# KiCad board ControlsLeader_PCB.kicad_pcb (continued)
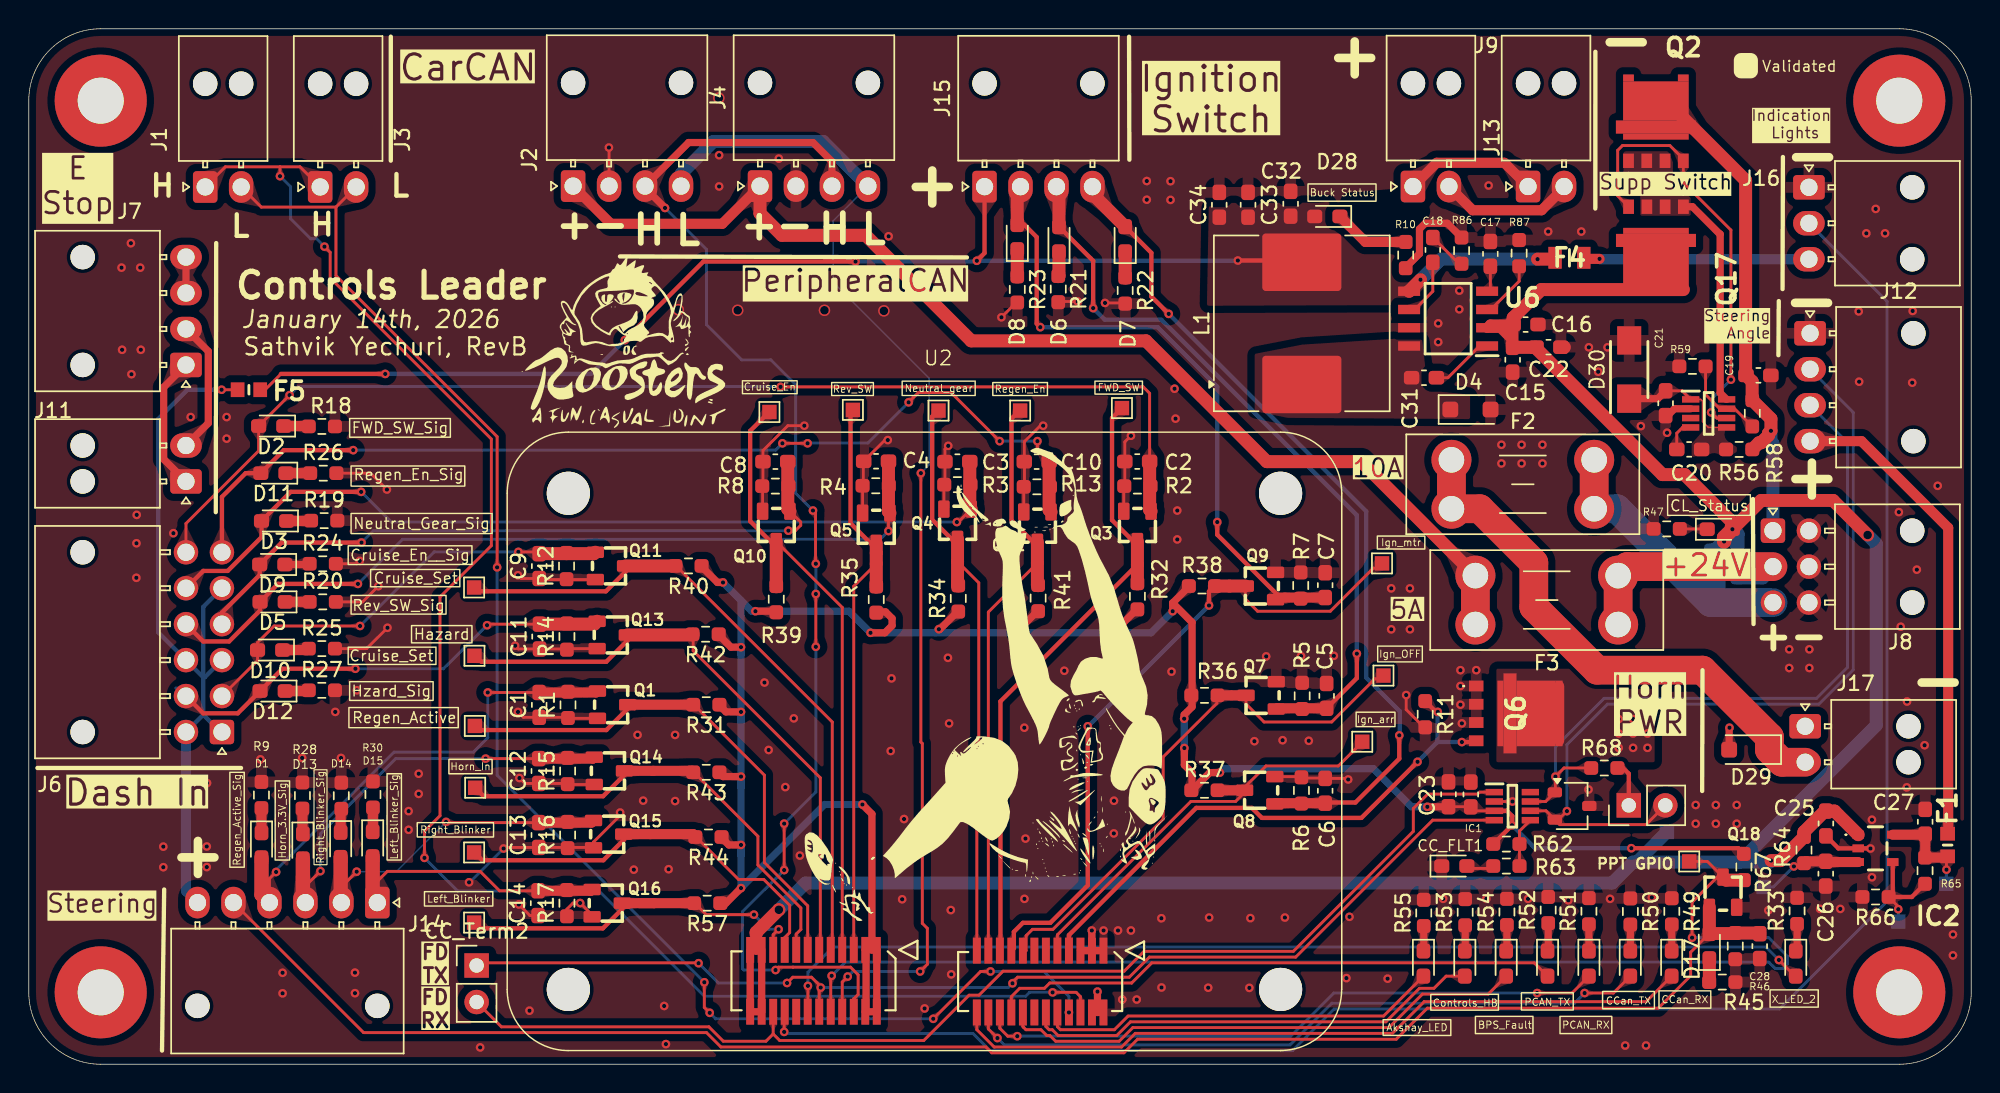
[diagram p0: board, top side]
## Library data of the parts (continued)
J3 = -: Datasheet: https://www.digikey.com/en/products/detail/molex/1053091102/7693146; Description: Car Can In; P/N: 1053131102
J4 = -: Datasheet: https://www.mouser.com/ProductDetail/Molex/105309-1204?qs=PqFvFmEiOr6mDAWV2BJKbg%3D%3D&srsltid=AfmBOopk7YsqdMLo2_DAHKaHKt3Hg126ooPXYWv5Q2Pfx6rW7DaYZCT2; Description: PH Can In; P/N: 1053131104
J6 = -: Description: Dash Conn; P/N: 1053141112; ki_fp_filters: Connector*:*2Rows*Pins__* *FCC*2Rows*Pins__*
J7 = -: Description: EStop_4pin; P/N: 1053131104; ki_fp_filters: Connector*:*_1x??_*
J8 = -: Description: PWR; P/N: 1053141106; ki_fp_filters: Connector*:*2Rows*Pins__* *FCC*2Rows*Pins__*
J9 = -: Description: Supp IN; P/N: 1053131102; ki_fp_filters: Connector*:*_1x??_*
J11 = -: Description: EStop_2pin; P/N: 1053131102; ki_fp_filters: Connector*:*_1x??_*
J12 J15 = -: Description: Ign Conn; P/N: 1053131104; ki_fp_filters: Connector*:*_1x??_*
J13 = -: Description: Supp OUT; P/N: 1053131102; ki_fp_filters: Connector*:*_1x??_*
J14 = -: Description: Generic connector, single row, 01x06, script generated (kicad-library-utils/schlib/autogen/connector/); ki_fp_filters: Connector*:*_1x??_*
J16 = -: Description: Generic connector, single row, 01x03, script generated (kicad-library-utils/schlib/autogen/connector/); ki_fp_filters: Connector*:*_1x??_*
J17 = -: Description: Horn Conn; P/N: 1053131102; ki_fp_filters: Connector*:*_1x??_*
L1 = -: Datasheet: https://www.mouser.com/datasheet/2/597/mss1246-270708.pdf; Description: Buck_Inductor; P/N: MSS1246-104MLC; LCSC: C76836; ki_fp_filters: Choke_* *Coil* Inductor_* L_*
Q1 Q3-Q5 Q7-Q16 Q18 = -: Datasheet: https://ngspice.sourceforge.io/docs/ngspice-html-manual/manual.xhtml#cha_MOSFETs; Description: NMOS!; Sim.Type: VDMOS; Sim.Pins: 1=D 2=G 3=S; P/N: IRLML2030TRPBF; LCSC: C82054
Q2 Q6 Q17 = -: Datasheet: https://www.onsemi.com/pub/Collateral/NVMFWS1D7N04XM-D.PDF; Description: Small Footprint (5x6 mm); Low RDS(on); Low QG and Capacitance; Wettable Flank Option; AECQ101 Qualified and PPAP Capable; RoHS Compliant; Height: 1.1; Manufacturer_Name: onsemi; LCSC: C133142
R1-R8 R11-R17 R45 = -: Description: NOMS 10k; P/N: CRCW060310K0FKTAHP; LCSC: C25804; ki_fp_filters: R_*
R9 R18-R30 R46 = -: Description: NMOS 150Ohms; P/N: ERJ-P03F1500V; LCSC: C22808; ki_fp_filters: R_*
R10 R47 = -: Description: Controls R47; P/N: CRCW12101K10FKEAHP; LCSC: C21190; ki_fp_filters: R_*
R31 R32 R34-R44 R57 R67 = -: Description: NMOS 100k; P/N: CRCW0603100KFKTAHP; LCSC: C25803; ki_fp_filters: R_*
R33 R49-R55 = -: Description: prgm led R45; P/N: FC0402E65R0BGT0; LCSC: C22787; ki_fp_filters: R_*
R56 = -: Description: Resistor, US symbol; Manufacturer_Part_Number: CRCW060310K0FKEI; LCSC: C25804; ki_fp_filters: R_*
R58 = -: Description: Resistor, US symbol; Manufacturer_Part_Number: CRCW060310K0FKEI; LCSC: C25811; ki_fp_filters: R_*
R59 = -: Description: Resistor, US symbol; Manufacturer_Part_Number: CRCW060310K0FKEI; LCSC: C49653600; ki_fp_filters: R_*
R60 R61 = -: Description: Controls R47; P/N: CRCW12101K10FKEAHP; ki_fp_filters: R_*
R62 = -: Description: Resistor; P/N: CRCW08054K70FKEA; Mouser Part Number: CRCW060310K0FKEI; LCSC: C25804; ki_fp_filters: R_*
R63 = -: Description: Resistor; Mouser Part Number: CRCW06032K10FKEA; P/N: SDR10EZPF2200; LCSC: C4190; ki_fp_filters: R_*
R64 = -: Description: Pedals 1k ohms; P/N: CRCW06031K00FKEI; LCSC: C25804; ki_fp_filters: R_*
R65 = -: Description: Pedals 5v LDO 30kohms; P/N: 0603WAJ0303T5E; LCSC: C137806; ki_fp_filters: R_*
R66 = -: Description: Pedals 10K Ohms; P/N: CRCW060310K0FKEI; LCSC: C25804; ki_fp_filters: R_*
R68 = -: Description: Resistor; Mouser Part Number: CRCW0603120RFKEC; P/N: CRCW080559R0FKEA; LCSC: C22787; ki_fp_filters: R_*
R86 = -: Description: Buck_Resistor_R86; P/N: CRCW060316K0FKTA; LCSC: C137788; ki_fp_filters: R_*
R87 = -: ki_fp_filters: R_*
RPP1 = -: Datasheet: https://www.ti.com/lit/ds/symlink/lm74502h.pdf?HQS=dis-mous-null-mousermode-dsf-pf-null-wwe&ts=1659509238199&ref_url=https%253A%252F%252Fwww.mouser.vn%252F; Description: Hot Swap Voltage Controllers 3.2-V to 65-V industrial RPP controller with load disconnect, OVP, and high gate drive; Height: 1.1; Mouser Part Number: 595-LM74502HDDFR; Mouser Price/Stock: https://www.mouser.co.uk/ProductDetail/Texas-Instruments/LM74502HDDFR?qs=t7xnP681wgWDbfat8Yg%252B%2Fg%3D%3D; Manufacturer_Name: Texas Instruments; LCSC: C5219202
TP1-TP15 = -: ki_fp_filters: Pin* Test*
U1 = -: Datasheet: https://www.mouser.com/ProductDetail/652-CDSOT23-T24CAN; Description: CAN Bus Protector; LCSC: C2959841
U2 = -: Datasheet: https://github.com/lhr-solar/LeaderSOMPCB; Height: 3.55; Mouser Part Number: 538-52465-2470; Mouser Price/Stock: https://www.mouser.co.uk/ProductDetail/Molex/52465-2470?qs=sEN%2FkO1EG6Yhu4DkZwbE7Q%3D%3D; Manufacturer_Name: Molex
U6 = -: Datasheet: https://www.ti.com/lit/ds/symlink/tps5405.pdf?HQS=dis-dk-null-digikeymode-dsf-pf-null-wwe&ts=1744490234630&ref_url=https%253A%252F%252Fwww.ti.com%252Fgeneral%252Fdocs%252Fsuppproductinfo.tsp%253FdistId%253D10%2526gotoUrl%253Dhttps%253A%252F%252Fwww.ti.com%252Flit%252Fgpn%252Ftps5405; Description: Buck; LCSC: C488409; ki_fp_filters: D0008A-IPC_A D0008A-IPC_B D0008A-IPC_C D0008A-MFG

## Footprints (pads in the part's own frame, mm; a bottom-side part is the same pattern mirrored in y, then rotated)
AP2205W57
  rect 0.55x0.8 smd: 1(0.95,1.2) 2(0,1.2) 3(-0.95,1.2) 4(-0.95,-1.2) 5(0.95,-1.2)
C_0603_1608Metric_Pad1.08x0.95mm_HandSolder
  rrect 1.075x0.95 smd: 1(-0.863,0) 2(0.863,0)
CDSOT23-T24CAN
  rrect 1x0.7 smd: 1(-1.2,0.95) 2(-1.2,-0.95) 3(1.2,0)
D_SOD-123F
  rrect 1.1x1.1 smd: 1(-1.4,0) 2(1.4,0)
FUSC1608X75N
  rect 0.95x1.02 smd: 1(-0.785,0) 2(0.785,0)
FUSC2114X180N
  rect 0.93x1.52 smd: 1(-1,0) 2(1,0)
Fuseholder_Blade_Mini_Keystone_3568
  round 2.78 hole 1.78: 1(0,0) 1(0,-3.4) 2(9.92,0) 2(9.92,-3.4)
L_Coilcraft_MSS1246-XXX
  rrect 4x5.5 smd: 1(-4.25,0) 2(4.25,0)
LeaderSOM
  round 3 hole 3 unplated: (-24.59,-5.45) (-24.59,-39.95) (24.91,-5.45) (24.91,-39.95)
  rect 0.55x1.8 smd: 1(3.474,-8.2) 2(3.474,-3.9) 3(4.274,-8.2) 4(4.274,-3.9) 5(5.074,-8.2) 6(5.074,-3.9) 7(5.874,-8.2) 8(5.874,-3.9) 9(6.674,-8.2) 10(6.674,-3.9) 11(7.474,-8.2) 12(7.474,-3.9) 13(8.274,-8.2) 14(8.274,-3.9) 15(9.074,-8.2) 16(9.074,-3.9) 17(9.874,-8.2) 18(9.874,-3.9) 19(10.674,-8.2) 20(10.674,-3.9) 21(11.474,-8.2) 22(11.474,-3.9) 23(12.274,-8.2) 24(12.274,-3.9) 25(-12.28,-8.15) 26(-12.28,-3.85) 27(-11.48,-8.15) 28(-11.48,-3.85) 29(-10.68,-8.15) 30(-10.68,-3.85) 31(-9.88,-8.15) 32(-9.88,-3.85) 33(-9.08,-8.15) 34(-9.08,-3.85) 35(-8.28,-8.15) 36(-8.28,-3.85) 37(-7.48,-8.15) 38(-7.48,-3.85) 39(-6.68,-8.15) 40(-6.68,-3.85) 41(-5.88,-8.15) 42(-5.88,-3.85) 43(-5.08,-8.15) 44(-5.08,-3.85) 45(-4.28,-8.15) 46(-4.28,-3.85) 47(-3.48,-8.15) 48(-3.48,-3.85)
LED_0603_1608Metric_Pad1.05x0.95mm_HandSolder
  rrect 1.05x0.95 smd: 1(-0.875,0) 2(0.875,0)
Molex_Nano-Fit_105313-xx02_1x02_P2.50mm_Horizontal
  round 1.7 hole 1.7 unplated: (7.18,0) (7.18,-2.5)
  rrect 2.2x1.7 hole 1.2: 1(0,0)
  oval 2.2x1.7 hole 1.2: 2(0,-2.5)
Molex_Nano-Fit_105313-xx03_1x03_P2.50mm_Horizontal
  round 1.7 hole 1.7 unplated: (7.18,0) (7.18,-5)
  rrect 2.2x1.7 hole 1.2: 1(0,0)
  oval 2.2x1.7 hole 1.2: 2(0,-2.5) 3(0,-5)
Molex_Nano-Fit_105313-xx04_1x04_P2.50mm_Horizontal
  round 1.7 hole 1.7 unplated: (7.18,0) (7.18,-7.5)
  rrect 2.2x1.7 hole 1.2: 1(0,0)
  oval 2.2x1.7 hole 1.2: 2(0,-2.5) 3(0,-5) 4(0,-7.5)
Molex_Nano-Fit_105313-xx06_1x06_P2.50mm_Horizontal
  round 1.7 hole 1.7 unplated: (7.18,0) (7.18,-12.5)
  rrect 2.2x1.7 hole 1.2: 1(0,0)
  oval 2.2x1.7 hole 1.2: 2(0,-2.5) 3(0,-5) 4(0,-7.5) 5(0,-10) 6(0,-12.5)
Molex_Nano-Fit_105314-xx06_2x03_P2.50mm_Horizontal
  round 1.7 hole 1.7 unplated: (9.68,0) (9.68,-5)
  rrect 1.7x1.7 hole 1.2: 1(0,0)
  round 1.7 hole 1.2: 2(0,-2.5) 3(0,-5) 4(2.5,0) 5(2.5,-2.5) 6(2.5,-5)
Molex_Nano-Fit_105314-xx12_2x06_P2.50mm_Horizontal
  round 1.7 hole 1.7 unplated: (9.68,0) (9.68,-12.5)
  rrect 1.7x1.7 hole 1.2: 1(0,0)
  round 1.7 hole 1.2: 2(0,-2.5) 3(0,-5) 4(0,-7.5) 5(0,-10) 6(0,-12.5) 7(2.5,0) 8(2.5,-2.5) 9(2.5,-5) 10(2.5,-7.5) 11(2.5,-10) 12(2.5,-12.5)
MountingHole_3.2mm_M3_Pad_TopBottom
  round 3.6 hole 3.2: 1(0,0)
  round 6.4 smd: 1(0,0)
  round 6.4 smd far side: 1(0,0)
NVMFWS3D0P04M8LT1G
  rect 0.75x1 smd: 1(-1.905,-2.75) 2(-0.635,-2.75) 3(0.635,-2.75) 4(1.905,-2.75)
  rect 0.75x0.48 smd: 5(1.905,3.01) 6(-1.905,3.01)
  rect 4.56x2.72 smd: 7(0,1.41)
  rect 5.56x0.91 smd: 8(0,-0.405)
  rect 4.56x0.42 smd: 9(0,-1.07)
PinHeader_1x02_P2.54mm_Vertical
  rect 1.7x1.7 hole 1: 1(0,0)
  round 1.7 hole 1: 2(0,-2.54)
R_0603_1608Metric_Pad0.98x0.95mm_HandSolder
  rrect 0.975x0.95 smd: 1(-0.912,0) 2(0.912,0)
SODFL5026X125N
  rect 1.97x1.67 smd: 1(-2.025,0) 2(2.025,0)
SOT23
  rrect 0.8x1.2 smd: 1(0.95,2.1) 2(0,0) 3(1.9,0)
SOT65P280X110-8N
  rect 1.2x0.45 smd: 1(-1.25,0.975) 2(-1.25,0.325) 3(-1.25,-0.325) 4(-1.25,-0.975) 5(1.25,-0.975) 6(1.25,-0.325) 7(1.25,0.325) 8(1.25,0.975)
TCAN337DCNR
  rect 1.2x0.45 smd: 1(-1.25,0.975) 2(-1.25,0.325) 3(-1.25,-0.325) 4(-1.25,-0.975) 5(1.25,-0.975) 6(1.25,-0.325) 7(1.25,0.325) 8(1.25,0.975)
TestPoint_Pad_1.0x1.0mm
  rect 1x1 smd: 1(0,0)
TPS5405DR
  rect 1.528x0.65 smd: 1(-2.711,1.905) 2(-2.711,0.635) 3(-2.711,-0.635) 4(-2.711,-1.905) 5(2.711,-1.905) 6(2.711,-0.635) 7(2.711,0.635) 8(2.711,1.905)

## Nets
+16V: F1.2 J12.4
+24V: C15.1 C16.1 C22.2 C25.2 D16.2 IC2.1 Q17.5 Q17.6 Q17.7 Q17.8 Q17.9 R60.2 R61.2 R64.1 U2.21 U2.22 U2.23 U2.24 U6.2 Vin1.1
/3.3V_LSOM: C23.1 C24.1 IC1.3 R31.1 R32.1 R34.1 R35.1 R36.1 R37.1 R38.1 R39.1 R40.1 R41.1 R42.1 R43.1 R44.1 R57.1 R62.1 R67.1 U2.1 U2.2 U2.3 U2.4
/5V_Buck: C32.1 C33.1 C34.1 D28.2 F4.1 F5.1 J15.1 L1.2 U6.5
/5V_Buck_IndicationLights: F4.2 J16.3
/5V_Buck_SteeringDash: F5.2 J6.1 J6.3 J6.5 J6.7 J6.9 J14.6
/+24v_Horn: D29.1 F2.1 J17.2
/+24v_Lights: F3.2 J2.1 J4.1
/Steering Angle Sensor Components/24v to 16v ldo/16v_prefuse: 16v_Out1.1 C27.1 F1.1 IC2.5 R65.1
GND: C1.1 C2.1 C3.1 C4.1 C5.1 C6.1 C7.1 C8.1 C9.1 C10.1 C11.1 C12.1 C13.1 C14.1 C15.2 C16.2 C17.2 C19.1 C21.1 C22.1 C23.2 C24.2 C25.1 C26.1 C27.2 C28.1 C32.2 C33.2 C34.2 CC_FLT1.1 D4.2 D30.2 IC1.2 IC2.2 J2.2 J4.2 J8.4 J8.5 J8.6 J12.1 J16.1 Q1.3 Q3.3 Q4.3 Q5.3 Q6.1 Q6.2 Q6.3 Q7.3 Q8.3 Q9.3 Q10.3 Q11.3 Q12.3 Q13.3 Q14.3 Q15.3 Q16.3 Q18.3 R1.1 R2.1 R3.1 R4.1 R5.1 R6.1 R7.1 R8.1 R9.2 R10.2 R11.2 R12.1 R13.1 R14.1 R15.1 R16.1 R17.1 R18.2 R19.2 R20.2 R21.2 R22.2 R23.2 R24.2 R25.2 R26.2 R27.2 R28.2 R29.2 R30.2 R33.2 R45.1 R46.2 R47.2 R49.1 R50.1 R51.2 R52.2 R53.2 R54.2 R55.2 R59.2 R66.2 R86.2 R87.2 RPP1.2 U1.3 U2.25 U2.26 U2.27 U2.28 U2.29 U6.7
/24v_5v_Buck/LX: C31.2 D4.1 L1.1 U6.8
/24v_5v_Buck/ROSC: R87.1 U6.3
/Akshay_LED: D25.2 U2.34
/BPS_Fault_LED: D24.2 U2.40
/CarCan_H: J1.1 J3.1 U2.30
/CarCan_L: J1.2 J3.2 U2.32
/CarCan_RX_LED: D19.2 U2.48
/CarCan_TX_LED: D20.2 U2.46
/Controls_HB_LED: D23.2 U2.36
/Cruise_Enable_GPIO_IN: Q10.1 R39.2 TP8.1 U2.7
/Cruise_Enable_Signal: C8.2 D9.2 J6.4 Q10.2 R8.2
/Cruise_Set_GPIO_IN: Q11.1 R40.2 TP9.1 U2.9
/Cruise_Set_Signal: C9.2 D10.2 J6.2 Q11.2 R12.2
/Dash/Contactor_IN1: J7.2 J11.2
/Dash/Contactor_OUT1: J7.1 J11.1
/Dash/Contactor_OUT2: J7.3 J7.4
/Dash/LV-: J9.2 J13.2
/Dash/LV_EN: J9.1 J13.1
/Extra_LED2: D18.2 U2.14
/FDCAN2_RX: CC_Term2.1 IC1.4 U2.12
/FDCAN2_TX: CC_Term2.2 IC1.1 U2.20
/Fwd_SW_GPIO: Q3.1 R32.2 TP2.1 U2.43
/Fwd_SW_Signal: C2.2 D2.2 J6.12 Q3.2 R2.2
/Hazard_GPIO_IN: Q13.1 R42.2 TP11.1 U2.11
/Hazard_Signal: C11.2 D12.2 J6.8 Q13.2 R14.2
/Horn_5V_Signal: C12.2 D13.2 J14.3 Q14.2 R15.2
/Horn_24V_Signal_Out: D29.2 J17.1 Q6.5 Q6.6 Q6.7 Q6.8 Q6.9
/Horn_GPIO_IN: Q14.1 R43.2 TP12.1 U2.15
/Horn_GPIO_OUT: Q6.4 R11.1 U2.31
/Ign_arr_GPIO: Q8.1 R37.2 TP6.1 U2.33
/Ign_arr_Signal: C6.2 D7.2 J15.4 Q8.2 R6.2
/Ign_mtr_GPIO: Q9.1 R38.2 TP7.1 U2.41
/Ign_mtr_Signal: C7.2 D8.2 J15.2 Q9.2 R7.2
/Ign_OFF_GPIO: Q7.1 R36.2 TP5.1 U2.39
/Ign_off_Signal: C5.2 D6.2 J15.3 Q7.2 R5.2
/Indicator_PWM: J16.2 U2.18
/Left_Blinker_ON: Q16.1 R57.2 TP15.1 U2.19
/Left_Blinker_Signal: C14.2 D15.2 J14.1 Q16.2 R17.2
/Neutral_Gear_GPIO: Q4.1 R34.2 TP3.1 U2.47
/Neutral_Gear_Signal: C3.2 D3.2 J6.11 Q4.2 R3.2
/PerCan_H: J2.3 J4.3 U2.6
/PerCan_L: J2.4 J4.4 U2.8
/PH_Can_RX_LED: D21.2 U2.44
/PH_Can_TX_LED: D22.2 U2.42
/PTT_GPIO_IN: Q18.1 R67.2 TP14.1 U2.10
/PTT_Signal: C28.2 D17.2 J14.5 Q18.2 R45.2
/Regen_Active_GPIO_IN: Q1.1 R31.2 TP1.1 U2.13
/Regen_Active_Signal: C1.2 D1.2 J14.4 Q1.2 R1.2
/Regen_Enable_GPIO_IN: Q12.1 R41.2 TP10.1 U2.45
/Regen_Enable_Signal: C10.2 D11.2 J6.6 Q12.2 R13.2
/Rev_SW_GPIO: Q5.1 R35.2 TP4.1 U2.5
/Rev_SW_Signal: C4.2 D5.2 J6.10 Q5.2 R4.2
/Right_Blinker_ON: Q15.1 R44.2 TP13.1 U2.17
/Right_Blinker_Signal: C13.2 D14.2 J14.2 Q15.2 R16.2
/RPP/LV+: C19.2 J8.1 Q2.5 Q2.6 Q2.7 Q2.8 Q2.9 R56.1 R58.1
/RPP/RPP1_SRC: Q2.1 Q2.2 Q2.3 Q17.1 Q17.2 Q17.3 RPP1.8
/RPP/RPP_EN: C20.2 C21.2 D30.1 R56.2 RPP1.1 RPP1.5
/Steering Angle Sensor Components/Can Transciever/CARCAN_Fault: IC1.5 R62.2 R63.1
/Steering Angle Sensor Components/SteeringCAN_H: IC1.7 J12.3 R68.2 U1.1
/Steering Angle Sensor Components/SteeringCAN_L: CC_Term1.2 IC1.6 J12.2 U1.2
Net-(C18-Pad2): C18.2 R86.1
Net-(CC_FLT1-A): CC_FLT1.2 R63.2
Net-(CC_Term1-A): CC_Term1.1 R68.1
Net-(D1-K): D1.1 R9.1
Net-(D2-K): D2.1 R18.1
Net-(D3-K): D3.1 R19.1
Net-(D5-K): D5.1 R20.1
Net-(D6-K): D6.1 R21.1
Net-(D7-K): D7.1 R22.1
Net-(D8-K): D8.1 R23.1
Net-(D9-K): D9.1 R24.1
Net-(D10-K): D10.1 R25.1
Net-(D11-K): D11.1 R26.1
Net-(D12-K): D12.1 R27.1
Net-(D13-K): D13.1 R28.1
Net-(D14-K): D14.1 R29.1
Net-(D15-K): D15.1 R30.1
Net-(D16-K): D16.1 R47.1
Net-(D17-K): D17.1 R46.1
Net-(D18-K): D18.1 R33.1
Net-(D19-K): D19.1 R49.2
Net-(D20-K): D20.1 R50.2
Net-(D21-K): D21.1 R51.1
Net-(D22-K): D22.1 R52.1
Net-(D23-K): D23.1 R53.1
Net-(D24-K): D24.1 R54.1
Net-(D25-K): D25.1 R55.1
Net-(D28-K): D28.1 R10.1
Net-(IC2-ADJ): Adj16V1.1 IC2.4 R65.2 R66.1
Net-(IC2-EN): C26.2 En16V1.1 IC2.3 R64.2
Net-(J8-Pin_2): F3.1 J8.2 R61.1
Net-(J8-Pin_3): F2.2 J8.3 R60.1
Net-(RPP1-GATE): Q2.4 Q17.4 RPP1.6
Net-(RPP1-OV): R58.2 R59.1 RPP1.7
Net-(RPP1-VCAP): C20.1 RPP1.4
Net-(U6-BOOT): C31.1 U6.1
Net-(U6-COMP): C18.1 U6.6
Net-(U6-SS): C17.1 U6.4

Pads without a net: H1 1; H2 1; H3 1; H4 1; IC1 8; RPP1 3; U2 16 35 37 38

## Via types
v1: diameter 0.6, hole 0.3, Top to Bottom, 310 vias
v2: diameter 0.8, hole 0.6, Top to Bottom, 7 vias

## Routing (per net, layer and track width the routed paths; a pad name or vN(x,y) marks a point on that pad's centre or on a via; arc(x,y) is an arc through that point)
+16V: length 33.4
  Top w0.7: F1.2 133.4,16.06 133.4,37.3 127.38,43.33 J12.4
+24V: length 177.7
  Top w0.2: 103.26,49.93 102.79,49.93
  Top w0.5: U2.24 U2.22 U2.21 U2.23 U2.24
  Top w0.7: 103.17,49.89 C16.1 101.58,51.44 U6.2 102.28,51.21 103.13,50.36 ; 50.55,9.04 50.55,7.95
  Top w0.9: C16.1 103.17,51.91 105.12,53.87 Q17.6 ; C22.2 104.75,49.78 113.54,41 115.07,41 118.4,37.67 v1(118.4,37.2) 120.4,39.2 125.4,39.2 v2(127.8,36.8) ; 50.55,9.04 50.55,9.17 52.12,10.74 v2(52.13,10.74) ; v1(121.09,14.16) 121.74,14.16 R64.1 123.38,16.16 124.82,17.6 C25.2 125.5,17.6 IC2.1 ; C15.1 104.74,49.85
  Top w1: v1(118.4,37.2) 117.82,36.62 v1(117.82,36.35)
  Bottom w0.9: 111.49,14.05 110.04,12.6 53.98,12.6 53.8,12.42 53.8,12.41 v2(52.13,10.74) ; 111.49,14.05 111.75,14.05 Vin1.1 ; 111.49,14.05 118.88,14.05 ; 118.88,14.05 120.98,14.05 v1(121.09,14.16) ; 118.88,14.05 128.4,23.57 128.4,36.2 v2(127.8,36.8)
  Bottom w1: v1(118.4,37.2) 118.75,36.85 R61.2 ; R60.2 117.19,35.71 v1(117.82,36.35)
/3.3V_LSOM: length 170.5
  Top w0.2: C24.1 100.21,17.91 C23.1 100.5,17.62 IC1.3 ; R37.1 80.85,19.05
  Top w0.3: v1(111.38,15.02) 118.8,15.02 R67.1 ; R62.1 v1(103.09,16.61) 103.1,16.63 103.1,17.26 102.74,17.62 IC1.3
  Top w0.5: v1(49.5,12.25) 48.45,11.2 48.01,11.2 ; 70.15,31.55 68.75,30.15 v1(68.75,30) ; v1(79.5,31.5) 79.5,32.08 ; 79.5,32.08 80.68,33.25 ; 79.5,32.08 80.85,30.72 80.85,24.85 80.3,24.3 v1(80.3,24.03) ; v1(82.78,20.28) 82.08,20.28 80.85,19.05 80.84,19.06 80.84,20.28 80.31,20.81 v1(80.31,21.99) ; v1(49.5,20) 48.25,20 47.95,20.3 ; v1(49.5,24.5) 48.45,24.5 47.95,25 ; 58.9,31.45 59.55,31.45 60,31 60,30.5 59.5,30 v1(58.5,30) ; v1(48.25,33.5) 47.86,33.5 46.71,34.65 ; 47.9,29.9 48.8,29 v1(49.5,29) ; 98.61,17.85 C24.1 98.66,17.9 v1(97.2,17.9) ; v1(50.5,31.5) 51.93,31.5 51.95,31.47 ; 64.6,31.53 63.32,30.25 v1(63.25,30.25) ; 58.6,7.95 U2.1 U2.2 U2.4 58.19,3.7 58.19,7.9 U2.3 58.6,7.95 ; 58.6,7.95 58.6,17.4 v1(57.94,18.06) ; 48.1,15.8 48.65,15.25 v1(49.5,15.25) ; 77.05,31.67 75.5,30.12 v1(75.5,30)
  Bottom w0.3: v1(111.38,15.02) 104.68,15.02 v1(103.09,16.61)
  Bottom w0.5: v1(79.5,31.5) 78,30 v1(75.5,30) v1(68.75,30) 63,30 ; 63,30 v1(58.5,30) 57,31.5 50.25,31.5 ; 63,30 v1(63.25,30.25) ; 49.5,19.25 49.5,23.75 ; 49.5,19.25 v1(49.5,20) ; 49.5,19.25 49.5,14.5 ; 49.5,23.75 49.5,28.5 ; 49.5,23.75 v1(49.5,24.5) ; v1(97.2,17.9) 96.1,17.9 93.45,20.55 83.05,20.55 v1(82.78,20.28) ; 50.25,31.5 49.5,32.25 ; 50.25,31.5 v1(50.5,31.5) ; v1(80.3,24.03) 80.3,22 v1(80.31,21.99) ; 49.5,14.5 v1(49.5,15.25) ; 49.5,14.5 v1(49.5,12.25) 55.31,18.06 v1(57.94,18.06) ; 49.5,28.5 v1(49.5,29) ; 49.5,28.5 49.5,32.25 ; 49.5,32.25 v1(48.25,33.5)
/5V_Buck: length 93
  Top w0.2: F5.1 16.42,46.9 17.53,48
  Top w0.3: L1.2 88.35,55.89 v1(84.03,55.89) ; J15.1 66.43,56.4 v1(65.89,55.87) ; v1(41.42,50.35) 46.89,55.81 v1(57.46,55.81) ; 17.53,48 v1(24.78,48)
  Top w0.5: 90.32,55.88 90.44,55.76
  Top w0.9: v1(104.86,55.98) 105.98,55.98 F4.1 ; v1(96.72,54.55) 95.93,53.76 U6.5
  Bottom w0.3: 65.91,55.85 v1(65.89,55.87) ; v1(65.89,55.87) 84.01,55.87 v1(84.03,55.89) 84.03,55.88 ; v1(65.89,55.87) 65.84,55.81 v1(57.46,55.81) ; v1(41.42,50.35) 39.08,48 v1(24.78,48) ; 57.5,55.85 v1(57.46,55.81) ; v1(57.46,55.81) 57.51,55.87
  Bottom w0.9: v1(104.86,55.98) 104.85,55.97 98.15,55.97 v1(96.72,54.55)
/5V_Buck_IndicationLights: length 15.7
  Top w0.7: v1(109.17,56) 108.15,56 F4.2
  Bottom w0.7: v1(109.17,56) 109.19,55.97 J16.3
/5V_Buck_SteeringDash: length 52.5
  Top w0.2: F5.2 v1(13.4,46.9)
  Bottom w0.3: 12.13,26.9 12.13,24.3 ; 12.13,26.9 J6.9 ; 12.13,26.9 12.22,26.9 J6.3 ; 12.13,26.9 12.13,31.8 J6.5 ; 12.13,24.3 13.33,23.1 J6.1 ; 12.13,24.3 J6.7 ; J6.9 9,30.03 9,44.87 11.03,46.9 v1(13.4,46.9) ; J6.9 11.02,28.1
  Bottom w0.7: J14.6 10.92,12.04 J6.7
/+24v_Horn: length 37.6
  Top w2: F2.1 F2.1 100.84,38.62 104.6,34.87 104.6,31.8 109,27.4 116.32,27.4 120.97,22.75 D29.1 121.85,21 J17.2
/+24v_Lights: length 80.6
  Top w0.7: J4.1 48.2,58.44 40.45,58.44 J2.1
  Top w0.9: F3.2 92.61,41.9 86.04,41.9 77.65,50.3 65.5,50.3 58.16,57.64 52.34,57.64 50.82,59.16 J4.1
  Top w2: F3.2 F3.2
/Steering Angle Sensor Components/24v to 16v ldo/16v_prefuse: length 7.4
  Top w0.2: F1.1 133.28,14.38 v1(133.28,13.53)
  Top w0.7: IC2.5 131.76,15.96 C27.1 131.8,14.38 R65.1 133.28,14.37 F1.1
  Bottom w0.2: v1(133.28,13.53) 133.27,13.52 16v_Out1.1
GND: length 118.4
  Top w0.2: 71.55,53.04 v1(72.9,53.04) ; v1(40.32,63.74) 40.33,63.73 J2.2 ; Q16.3 39.15,10.38 v1(38.32,11.21) 37.83,11.21 37.4,10.78 37.4,10.34 ; v1(33,15) 33.08,15.08 C13.1 39.22,15.08 Q15.3 39.25,15.45 41.1,17.3 v1(41.1,17.5) ; 21.29,34.8 22.8,34.8 v1(23,35) ; 21.23,28.9 23.48,28.9 v1(24.93,30.35) ; v1(24.29,33.24) 23.2,32.15 21.29,32.15 ; 97.05,23.47 96.91,23.47 95.73,24.66 v1(95.73,25.67) ; Q1.3 37.55,24.05 37.47,24.12 C1.1 34.38,24.12 v1(34,24.5) ; IC1.2 v1(103.12,18.27) ; C14.1 34.83,10.34 v1(34.06,11.11) ; 53.32,60.54 J4.2 53.32,60.3 ; Q3.3 76.1,40.11 76.19,40.2 76.18,40.21 76.18,43.28 v1(76.6,43.7) ; 21.33,41.1 23.75,41.1 v1(24.89,39.96) ; Q4.3 63.6,40.22 63.68,40.3 63.68,42.78 v1(63.9,43) ; 76.2,52.94 v1(74.8,52.94) ; Q12.3 69.15,40.1 69.2,40.15 69.2,41.89 C10.1 69.19,43.29 70.3,44.4 v1(70.5,44.4) ; Q8.3 88.35,20 88.45,19.9 90.07,19.9 C6.1 91.62,19.88 v1(91.7,19.8) ; Q10.3 51,40.17 51.03,40.2 C8.1 51.03,42.67 52.75,44.4 v1(53.9,44.4) ; 68.7,53.01 68.68,53.01 v1(67.6,51.94) ; Q11.3 35.55,33.7 C9.1 34.22,33.78 v1(34,34) ; Q14.3 37.53,19.45 37.45,19.53 C12.1 34.47,19.53 v1(34.1,19.9) ; Q5.3 57.95,40.17 58,40.22 58,41.9 C4.1 59.5,43.4 v1(59.7,43.4) ; v1(33.8,29.1) 34.03,28.88 C11.1 37.4,28.88 37.42,28.9 Q13.3
  Top w0.3: C25.1 125.77,15.01 IC2.2 127.99,15.01 v1(128,15)
  Top w0.5: 74.28,3.6 v1(74.28,5.05) ; 74.28,3.6 U2.28 ; 74.28,3.6 U2.26 ; RPP1.2 114.38,45.58 113.9,45.1 ; U2.27 U2.29 ; U2.27 U2.25 ; U2.27 73.88,7.91 v1(73.88,9.3) ; 95.69,55.4 96.65,56.36 96.65,58.08 97.05,58.47 98.59,58.47 R86.2
  Top w0.9: 106.71,49.84 106.72,49.86
  Bottom w0.2: v1(30.6,12.65) 30.65,12.65 v1(33,15)
  vias: v1(6.45,55.39) v1(6.49,49.68) v1(7.1,57.09) v1(7.14,47.98) v1(7.5,38.2) v1(7.48,36.22) v1(7.47,33.83) v1(7.75,55.39) v1(7.79,49.68) v1(9.35,15.13) v1(9.35,13.7) v1(9.37,19.54) v1(10.05,36.92) v1(11.25,45) v1(12.39,19.55) v1(12.37,15.14) v1(12.37,13.71) v1(13.75,45) v1(13.75,43.5) v1(16.1,21.2) v1(17.64,6.36) v1(17.64,4.93) v1(19,21.3) v1(21.3,24.5) v1(21.7,21.3) v1(22.67,6.37) v1(22.67,4.94) v1(22.8,26) v1(26.4,17.6) v1(26.4,16.3) v1(27.1,20.2) v1(27.1,18.8) v1(31.37,1.17) v1(34.8,3.72) v1(42.05,13.53) v1(42.31,22.9) v1(42.7,18.33) v1(44.16,4.05) v1(44.28,1.4) v1(44.47,13.56) v1(44.92,22.9) v1(44.92,18.3) v1(47.98,63.21) v1(47.98,61.03) v1(51.13,26.54) v1(51.42,21.85) v1(52.13,62.97) v1(52.58,19.27) v1(53.17,24.05) v1(53.59,14.51) v1(59.76,57.57) v1(59.9,21.78) v1(59.96,26.83) v1(60.7,11.47) v1(60.83,17.05) v1(62.26,3.88) v1(63.88,28.26) v1(63.96,23.7) v1(64.08,10.72) v1(64.11,6.25) v1(69.19,23.4) v1(69.2,11.5) v1(69.27,15.69) v1(71.97,27.36) v1(74.7,9.3) v1(75.42,18.32) v1(75.41,16.05) v1(75.7,9.3) v1(76,4.5) v1(76.6,9.3) v1(77,4.5) v1(77.7,61.41) v1(77.7,60.11) v1(78.72,10.15) v1(78.72,5.33) v1(79.35,61.4) v1(79.35,60.1) v1(79.42,27.3) v1(79.63,46.97) v1(79.7,44.89) v1(79.82,38.5) v1(79.82,36.49) v1(82.03,10.2) v1(81.97,5.32) v1(84.83,5.31) v1(84.9,10.16) v1(85.18,22.46) v1(86,28.36) v1(87.14,22.53) v1(87.3,10.2) v1(88.42,28.38) v1(88.96,22.49) v1(90.7,28.4) v1(91.57,5.99) v1(91.79,10.25) v1(94.44,5.95) v1(94.69,33.09) v1(94.69,30.24) v1(95.99,33.09) v1(95.99,30.24) v1(97.96,51.52) v1(97.96,50.22) v1(98.3,11.5) v1(99.42,53.79) v1(99.42,52.49) v1(99.5,27.4) v1(99.5,26.3) v1(99.5,25) v1(99.6,23.7) v1(100.6,27.4) v1(101.3,11.5) v1(101.46,61.1) v1(102.35,43.08) v1(102.35,41.78) v1(103.75,43.08) v1(103.75,41.78) v1(104.2,11.5) v1(105.2,43.08) v1(105.2,41.78) v1(105.6,57.9) v1(107,11.4) v1(107.9,57.9) v1(108.43,49.85) v1(108.4,19.1) v1(109.07,48.15) v1(109.72,49.85) v1(109.9,11.5) v1(110.95,1.3) v1(112.04,44.37) v1(112.4,1.3) v1(112.8,11.6) v1(113.86,43.91) v1(115.85,18.03) v1(115.85,16.72) v1(117.25,18.03) v1(117.25,16.72) v1(118.7,18.03) v1(118.7,16.72) v1(120.9,10.7) v1(122.35,28.85) v1(122.35,27.55) v1(123.75,28.85) v1(123.75,27.55) v1(124.5,10.8) v1(125.9,10.8) v1(127.18,52.35) v1(127.21,47.46) v1(127.71,57.78) v1(128.1,17) v1(128.1,13) v1(128.36,59.47) v1(129.01,57.78) v1(129.97,38.39) v1(130.1,30.42) v1(130.54,25.22) v1(130.52,19.25) v1(130.93,52.38) v1(130.9,47.39) v1(131.22,34.39) v1(131.76,22.18) v1(132.67,40.22) v1(133.73,9.02) v1(133.73,7.57) v2(45.14,52.47) v2(47.96,67.18) v2(49.27,52.42) v2(55.3,52.42) v2(59.43,52.39)
/24v_5v_Buck/ROSC: length 3.8
  Top w0.2: R87.1 103.58,54.45 101.62,52.48
/Akshay_LED: length 28.1
  Top w0.2: D25.2 94.16,3.35 76.4,3.35 75.45,2.4 71.7,2.4 71.49,2.61 U2.34
/BPS_Fault_LED: length 37
  Top w0.2: U2.40 69.09,2.62 69.15,2.56 69.15,2.55 69.3,2.4 70.35,2.4 70.75,2 70.97,2 71.37,1.6 75.78,1.6 76.73,2.55 94.53,2.55 96.86,4.88 101.43,4.88 D24.2
  Top w0.3: 69,3.51 U2.40
/CarCan_H: length 116.6
  Top w0.2: v1(71.16,5) 71.16,5 72.79,5 73.09,4.7 U2.30 72.95,3.74 ; J3.1 18.85,62.4 17.46,62.4 ; 17.46,62.4 v1(17.46,61.75) ; 17.46,62.4 13.66,62.4 J1.1 ; v1(20.55,56.85) 20.95,56.45 20.95,54.67 32.15,43.47 32.15,36.06 28.58,32.49 28.58,17.28 27.5,16.2 v1(27.5,14.35)
  Bottom w0.2: v1(20.55,56.85) 20,57.4 19.59,57.4 18.2,58.79 18.2,61.01 v1(17.46,61.75) ; v1(27.5,14.35) 29.8,12.05 39.63,12.05 46.95,4.73 69.28,4.73 69.55,5 71.15,5 v1(71.16,5)
/CarCan_L: length 104.3
  Top w0.2: J3.2 21.35,59.6 ; 21.35,59.6 16.16,59.6 J1.2 ; 21.35,59.6 21.35,54.84 32.55,43.64 v1(32.55,34.55) ; v1(47.32,3.58) 46.95,3.95 v1(46.95,5.7) ; v1(62.86,3.16) 66.15,6.45 v1(66.84,6.45)
  Bottom w0.2: v1(72.29,3.6) 72.29,4.71 70.55,6.45 v1(66.84,6.45) ; 47,5.65 v1(46.95,5.7) 32.55,20.1 v1(32.55,34.55) ; v1(47.32,3.58) 47.74,3.16 v1(62.86,3.16)
/CarCan_RX_LED: length 52
  Top w0.2: D19.2 112.4,4.35 96.98,4.35 96.98,4.35 94.78,2.15 76.9,2.15 75.95,1.2 67.1,1.2 65.89,2.4 U2.48
/CarCan_TX_LED: length 48.2
  Top w0.2: v1(67.32,1.82) 66.69,2.45 U2.46 ; v1(108.13,4.95) 110.13,4.95 D20.2
  Bottom w0.2: v1(108.13,4.95) 107.42,4.24 90.56,4.24 87.67,1.35 67.79,1.35 v1(67.32,1.82)
/Controls_HB_LED: length 32.1
  Top w0.2: U2.36 70.69,2.62 70.91,2.4 71.13,2.4 71.53,2 75.62,2 76.57,2.95 94.32,2.95 96.65,5.28 97.66,5.28 98.5,6.12 D23.2
/Cruise_Enable_GPIO_IN: length 44
  Top w0.2: Q10.1 56.54,31.76 U2.7
  Top w0.3: Q10.1 51.55,36.35 50.14,37.76 50.14,44.04 51.45,45.35 TP8.1
  Top w0.9: Q10.1 51.95,33.2
/Cruise_Enable_Signal: length 48.8
  Top w0.2: Q10.2 53.65,37.7 53.65,37.47 53.28,37.1 v1(52.79,37.1)
  Top w0.3: v1(23.12,36.28) 17.58,36.28 D9.2 16.05,34.03 13.42,31.4 J6.4
  Top w0.9: C8.2 52.75,38.6 Q10.2
  Bottom w0.2: v1(23.12,36.28) 23.95,37.1 v1(52.79,37.1)
/Cruise_Set_GPIO_IN: length 46.4
  Top w0.2: 44.99,34.65 55.84,23.79 55.84,8.06 U2.9
  Top w0.3: Q11.1 41.47,34.25 40.11,32.89 31.31,32.89 31.05,33.15 TP9.1
  Top w0.9: Q11.1 44.99,34.65
/Cruise_Set_Signal: length 31.8
  Top w0.2: v1(23.03,30.47) 17.06,30.47 15.9,29.32 D10.2 15.9,28.08 J6.2 ; C9.2 35.35,35.62 v1(34.03,35.62) ; 15.66,28.6 15.95,28.9 15.72,28.66
  Top w0.3: 13.43,26.15 13.43,26.05
  Top w0.9: Q11.2 39.28,35.5 C9.2
  Bottom w0.2: v1(23.03,30.47) 28.17,35.62 v1(34.03,35.62)
/Dash/Contactor_IN1: length 9.4
  Top w0.5: J7.2 12.48,49.57 12.48,44.58 J11.2
/Dash/Contactor_OUT1: length 9.4
  Top w0.5: J11.1 9.38,42.08 9.38,47.07 J7.1
/Dash/Contactor_OUT2: length 2.5
  Top w0.5: J7.3 J7.4
/Dash/LV-: length 9.4
  Top w0.7: J13.2 106.7,60.94 105.14,59.38 100.35,59.38 J9.2
/Dash/LV_EN: length 9.4
  Top w0.7: J13.1 102.55,62.68 97.85,62.68 J9.1
/Extra_LED2: length 73
  Top w0.2: v1(121.63,7.25) 122.75,6.12 D18.2 ; U2.14 54.15,3.66 v1(54.15,5.45)
  Bottom w0.2: v1(121.63,7.25) 120.73,8.15 55.9,8.15 54.15,6.4 v1(54.15,5.45)
/FDCAN2_RX: length 78.5
  Top w0.2: IC1.4 97.57,16.97 88.05,7.45 77.88,7.45 76.48,6.05 68.72,6.05 68.37,5.7 v1(68.37,5.63) ; v1(52.7,5.65) 53.1,6.05 54.4,6.05 55.04,5.41 v1(55.04,5.33) 54.94,5.23 U2.12 ; v1(46.55,7.03) 46.52,7.05 31.31,7.05 CC_Term2.1
  Bottom w0.2: v1(55.04,5.33) 68.07,5.33 v1(68.37,5.63) ; v1(52.7,5.65) 47.93,5.65 v1(46.55,7.03)
/FDCAN2_TX: length 81.9
  Top w0.2: 51.74,2.1 51.23,1.6 48.27,1.6 47.27,2.6 32.85,2.6 CC_Term2.2 ; 51.74,2.1 52.19,1.65 62.2,1.65 65.35,4.8 66.04,4.8 67.71,6.47 76.13,6.47 77.51,7.85 87.88,7.85 96.22,16.19 96.22,17.78 97.22,18.78 100.69,18.78 100.83,18.92 IC1.1 ; 51.74,2.1 U2.20
/Fwd_SW_GPIO: length 44.3
  Top w0.3: 75.97,45.58 TP2.1 75.29,44.94 75.29,37.83 76.77,36.35 Q3.1 ; 77.05,34.75 67.53,25.23 67.53,7.94 U2.43
  Top w0.9: Q3.1 77.05,33.4
/Fwd_SW_Signal: length 82.4
  Top w0.2: v1(52.25,47.1) 77.45,47.1 77.9,46.65 C2.2 ; J6.12 10.92,37.6 15.97,42.65 D2.2 v1(18.12,46.53)
  Top w0.9: C2.2 77.9,38.55 Q3.2
  Bottom w0.2: v1(52.25,47.1) 52.22,47.12 18.72,47.12 v1(18.12,46.53)
/Hazard_GPIO_IN: length 42
  Top w0.2: 46.18,29.9 46.18,28.75 55.01,19.91 55.01,8.02 U2.11
  Top w0.3: TP11.1 31.05,28.4 31.46,27.99 40.14,27.99 41.6,29.45 Q13.1
  Top w0.9: 46.18,29.9 46.12,29.85 Q13.1
/Hazard_Signal: length 32.6
  Top w0.2: v1(31.85,30.53) 31.92,30.6 C11.2 ; 22.55,27.5 v1(22.7,27.5)
  Top w0.3: J6.8 12.13,24.4 14.52,24.4 D12.2 17.62,27.5 v1(22.7,27.5)
  Top w0.9: C11.2 39.3,30.6 Q13.2
  Bottom w0.2: v1(22.7,27.5) 28.83,27.5 v1(31.85,30.53) ; 10.21,26.16 10.95,26.16
/Horn_5V_Signal: length 29.6
  Top w0.2: J14.3 19.22,12.39 v1(20.27,13.43) ; v1(31.75,21.25) C12.2
  Top w0.7: Q14.2 39.2,21.25 C12.2
  Top w1: J14.3 19.05,11.42 D13.2
  Bottom w0.2: v1(20.27,13.43) 20.27,16.02 25.5,21.25 v1(31.75,21.25)
/Horn_24V_Signal_Out: length 5.3
  Top w0.2: 118.18,23.38 v1(118.2,23.4)
  Top w0.5: 118.18,21.88 118.18,23.38
  Top w0.7: Q6.6 Q6.5
  vias: v1(110.5,24) v1(110.5,23) v1(110.5,22) v1(111.5,24) v1(111.5,23) v1(111.5,22) v1(112.5,23) v1(112.5,22)
/Horn_GPIO_IN: length 31.9
  Top w0.2: 46.22,20.3 50.68,15.85 50.68,13.85 53.66,10.86 53.66,9.37 53.34,9.05 U2.15
  Top w0.3: Q14.1 41.4,20.12 39.92,18.64 31.61,18.64 TP12.1
  Top w0.7: Q14.1 46.12,20.4 46.22,20.3
/Horn_GPIO_OUT: length 38.9
  Top w0.3: v1(96.52,21.03) 92.62,17.13 85.7,17.13 85.01,17.82 81.14,17.82 72.29,8.98 U2.31 ; v1(99.6,22.4) 100.51,22.4 Q6.4 ; v1(97.93,24.5) 97.8,24.5 R11.1
  Bottom w0.3: 97.9,22.41 99.59,22.41 v1(99.6,22.4) ; 97.9,22.41 v1(96.52,21.03) ; 97.9,22.41 97.9,24.47 v1(97.93,24.5)
/Ign_arr_GPIO: length 30
  Top w0.2: TP6.1 92.68,22.4 91.01,20.74 85.98,20.74 84.5,19.26 Q8.1 84.5,18.9 83.87,18.27 80.76,18.27 71.49,9 U2.33
  Top w0.7: Q8.1 82.57,19.05
/Ign_arr_Signal: length 58.6
  Top w0.3: v1(79.22,52.17) 78.02,53.38 78.02,56.42 D7.2 ; C6.2 90.15,18.2 92.2,18.2 95.25,21.25 v1(95.25,22.87)
  Top w0.7: C6.2 86.65,18.15 Q8.2
  Top w0.9: D7.2 73.93,60.51 J15.4
  Bottom w0.3: v1(79.22,52.17) 92.95,38.45 92.95,26.88 95.29,24.54 95.29,22.91 v1(95.25,22.87)
